# Altium PCB Stabilizer_Pounder.PcbDoc (part 1 of 2) (continued)
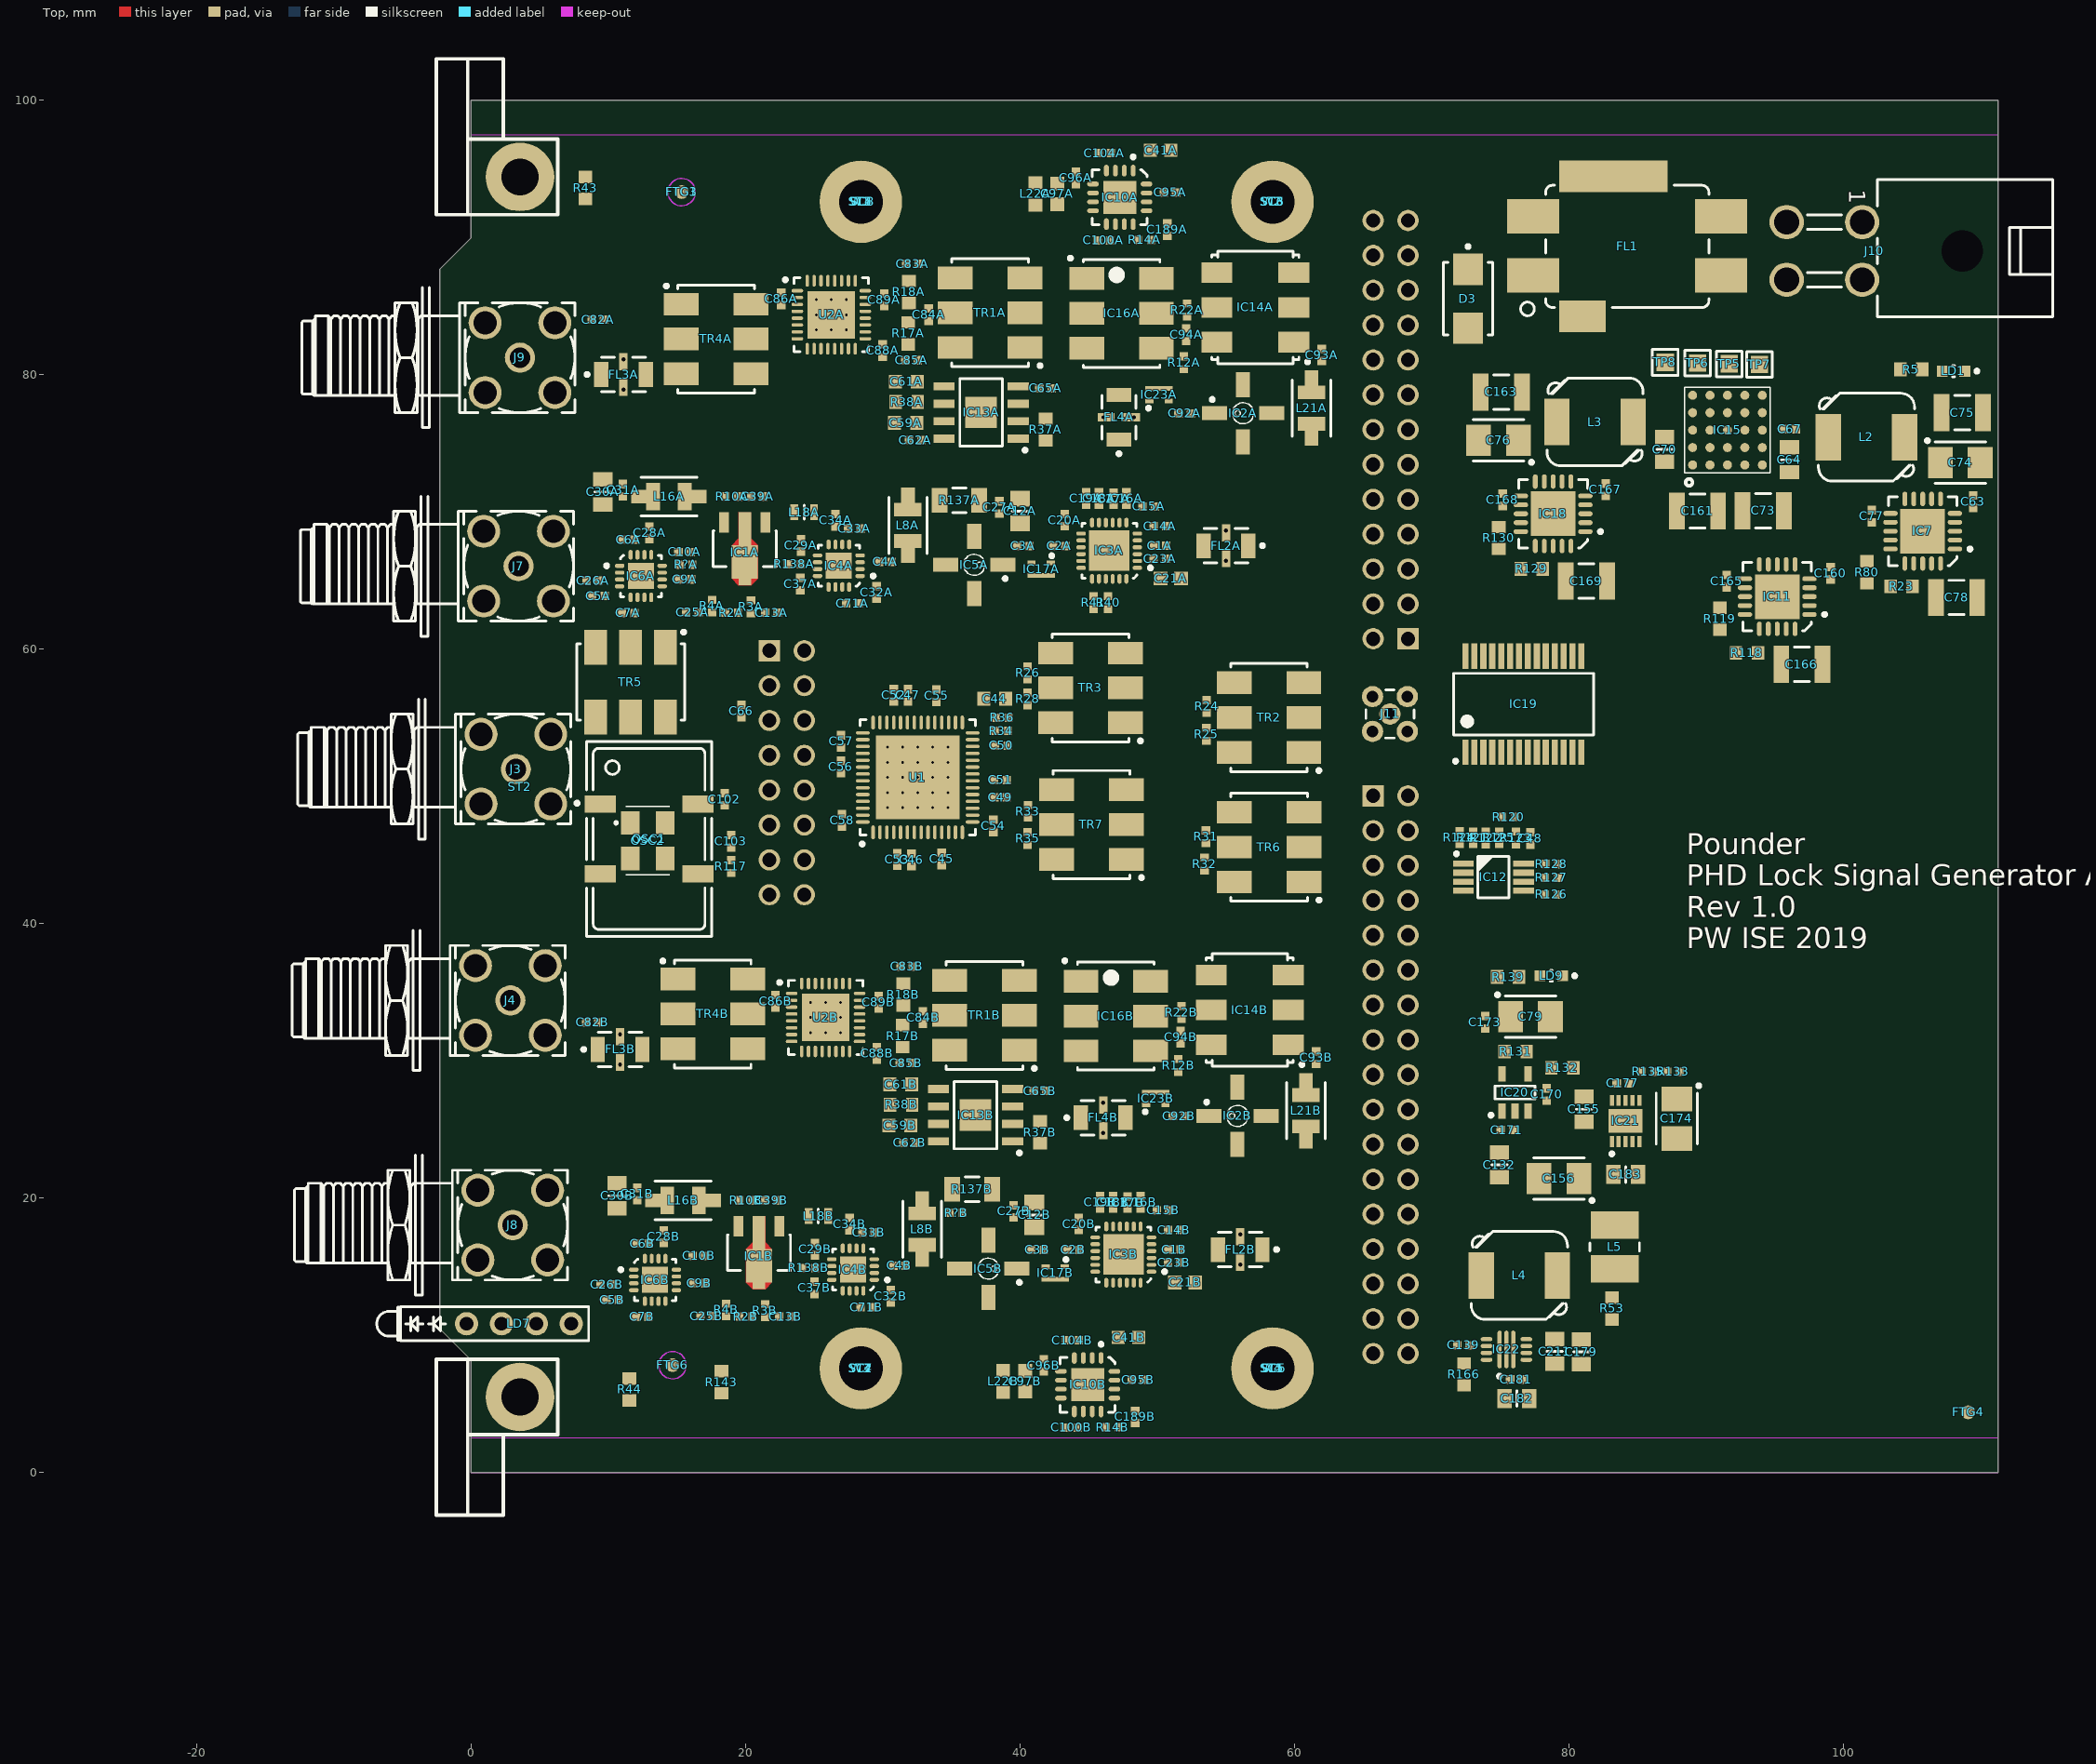
[diagram p0: Top view]
## Components (designator, comment, footprint, x,y, rotation, side; value= is the part's Value field where it differs from the comment) (continued)
C29B "100pF" CAPC1005X55N 25.058,16.29 r270 top (schematic designator C29)
C30A "10uF" CAPC2012X135N 9.59,71.46 r270 top (schematic designator C30)
C30B "10uF" CAPC2012X135N 10.623,20.175 r270 top (schematic designator C30)
C31A "1nF" CAPC1005X55N 11.06,71.59 r270 top (schematic designator C31)
C31B "1nF" CAPC1005X55N 12.093,20.305 r270 top (schematic designator C31)
C32A "100pF" CAPC1005X55N 29.54,64.15 r270 top (schematic designator C32)
C32B "100pF" CAPC1005X55N 30.573,12.865 r270 top (schematic designator C32)
C33A "100pF" CAPC1005X55N 27.924,68.78 r180 top (schematic designator C33)
C33B "100pF" CAPC1005X55N 28.957,17.495 r180 top (schematic designator C33)
C34A "2.2uF" CAPC1005X55N 26.544,69.406 r90 top (schematic designator C34)
C34B "2.2uF" CAPC1005X55N 27.577,18.121 r90 top (schematic designator C34)
C35A "10uF" CAPC1608X80N 31.345,63.853 r90 bottom (schematic designator C35)
C35B "10uF" CAPC1608X80N 32.378,12.568 r90 bottom (schematic designator C35)
C36A "10uF" CAPC1608X80N 32.905,63.883 r90 bottom (schematic designator C36)
C36B "10uF" CAPC1608X80N 33.938,12.598 r90 bottom (schematic designator C36)
C37A "100pF" CAPC1005X55N 23.98,64.75 r270 top (schematic designator C37)
C37B "100pF" CAPC1005X55N 25.013,13.465 r270 top (schematic designator C37)
C38A "10uF" CAPC1608X80N 24.985,66.19 r270 bottom (schematic designator C38)
C38B "10uF" CAPC1608X80N 26.018,14.905 r270 bottom (schematic designator C38)
C39A "1uF" CAPC1005X55N 20.85,71.12 r180 top (schematic designator C39)
C39B "1uF" CAPC1005X55N 21.883,19.835 r180 top (schematic designator C39)
C40A "10uF" CAPC1608X80N 26.46,71.96 r270 bottom (schematic designator C40)
C40B "10uF" CAPC1608X80N 27.493,20.675 r270 bottom (schematic designator C40)
C41A "Undefined" CAPC1608X90N 50.24,96.35 r180 top (schematic designator C41)
C41B "Undefined" CAPC1608X90N 47.9,9.84 r180 top (schematic designator C41)
C42 "100nF" CAPC1005X55N 38.62,51.64 r180 bottom
C43 "100nF" CAPC1005X55N 38.61,50.69 r180 bottom
C44 "680pF" CAPC1608X87N 38.16,56.39 r180 top
C45 "100nF" CAPC1005X55N 34.29,44.72 r90 top
C46 "100nF" CAPC1005X55N 32.08,44.65 r90 top
C47 "100nF" CAPC1005X55N 31.82,56.64 r270 top
C48 "100nF" CAPC1005X55N 77.18,46.22 r270 top
C49 "100nF" CAPC1005X55N 38.57,49.2 r180 top
C50 "100nF" CAPC1005X55N 38.63,52.97 r180 top
C51 "100nF" CAPC1005X55N 38.56,50.47 r180 top
C52 "100nF" CAPC1005X55N 30.8,56.64 r270 top
C53 "100nF" CAPC1005X55N 31.04,44.67 r90 top
C54 "100nF" CAPC1005X55N 38.05,47.13 r270 top
C55 "100nF" CAPC1005X55N 33.9,56.61 r270 top
C56 "100nF" CAPC1005X55N 26.94,51.42 r270 top
C57 "100nF" CAPC1005X55N 26.95,53.28 r270 top
C58 "100nF" CAPC1005X55N 27.02,47.53 r90 top
C59A "150pF" CAPC1608X87N 31.66,76.49 r180 top (schematic designator C59)
C59B "150pF" CAPC1608X87N 31.25,25.29 r180 top (schematic designator C59)
C60A "180pF" CAPC1608X87N 55.8,80.97 r0 bottom (schematic designator C60)
C60B "180pF" CAPC1608X87N 55.39,29.77 r0 bottom (schematic designator C60)
C61A "15pF" CAPC1608X87N 31.71,79.49 r0 top (schematic designator C61)
C61B "15pF" CAPC1608X87N 31.3,28.29 r0 top (schematic designator C61)
C62A "100nF" CAPC1005X55N 32.36,75.23 r0 top (schematic designator C62)
C62B "100nF" CAPC1005X55N 31.95,24.03 r0 top (schematic designator C62)
C63 "1uF" CAPC1005X55N 109.44,70.76 r90 top
C64 "22uF" CAPC2012X135N 96.06,73.8 r90 top
C65A "100nF" CAPC1005X55N 41.86,79.01 r180 top (schematic designator C65)
C65B "100nF" CAPC1005X55N 41.45,27.81 r180 top (schematic designator C65)
C66 "100nF" CAPC1005X55N 19.69,55.49 r90 top
C67 "100nF" CAPC1005X55N 96.09,76.04 r180 top
C70 "22uF" CAPC2012X135N 86.97,74.55 r90 top
C71A "100pF" CAPC1005X55N 27.78,63.34 r180 top (schematic designator C71)
C71B "100pF" CAPC1005X55N 28.813,12.055 r180 top (schematic designator C71)
C72A "10uF" CAPC1608X80N 27.33,63.34 r0 bottom (schematic designator C72)
C72B "10uF" CAPC1608X80N 28.363,12.055 r0 bottom (schematic designator C72)
C73 "47uF" CAPC3225X270N 94.15,70.09 r0 top
C74 "22uF" CAPMP3528X210N 108.51,73.6 r0 top
C75 "47uF" CAPC3225X270N 108.66,77.23 r180 top
C76 "22uF" CAPMP3528X210N 74.86,75.22 r180 top
C77 "1uF" CAPC1005X55N 102.06,69.69 r90 top
C78 "47uF" CAPC3225X270N 108.24,63.77 r180 top
C79 "22uF" CAPMP3528X210N 77.19,33.22 r0 top
C80A "10uF" CAPC1608X80N 28.02,71.96 r270 bottom (schematic designator C80)
C80B "10uF" CAPC1608X80N 29.053,20.675 r270 bottom (schematic designator C80)
C81A "10uF" CAPC1608X80N 37.72,83.27 r90 bottom (schematic designator C81)
C81B "10uF" CAPC1608X80N 37.31,32.07 r90 bottom (schematic designator C81)
C82A "2.2uF" CAPC1005X55N 9.23,84.01 r0 top (schematic designator C82)
C82B "2.2uF" CAPC1005X55N 8.82,32.81 r0 top (schematic designator C82)
C83A "100nF" CAPC1005X55N 32.15,88.08 r180 top (schematic designator C83)
C83B "100nF" CAPC1005X55N 31.74,36.88 r180 top (schematic designator C83)
C84A "100nF" CAPC1005X55N 33.335,84.37 r90 top (schematic designator C84)
C84B "100nF" CAPC1005X55N 32.925,33.17 r90 top (schematic designator C84)
C85A "100nF" CAPC1005X55N 32.09,81.05 r180 top (schematic designator C85)
C85B "100nF" CAPC1005X55N 31.68,29.85 r180 top (schematic designator C85)
C86A "100nF" CAPC1005X55N 22.59,85.54 r270 top (schematic designator C86)
C86B "100nF" CAPC1005X55N 22.18,34.34 r270 top (schematic designator C86)
C87A "10uF" CAPC1608X80N 30.23,85.47 r90 bottom (schematic designator C87)
C87B "10uF" CAPC1608X80N 29.82,34.27 r90 bottom (schematic designator C87)
C88A "100pF" CAPC1005X55N 29.98,81.76 r90 top (schematic designator C88)
C88B "100pF" CAPC1005X55N 29.57,30.56 r90 top (schematic designator C88)
C89A "100nF" CAPC1005X55N 30.1,85.47 r90 top (schematic designator C89)
C89B "100nF" CAPC1005X55N 29.69,34.27 r90 top (schematic designator C89)
C90A "1uF" CAPC2012X140N 56.08,78.11 r90 bottom (schematic designator C90)
C90B "1uF" CAPC2012X140N 55.67,26.91 r90 bottom (schematic designator C90)
C91A "100nF" CAPC1005X55N 57.59,78.16 r90 bottom (schematic designator C91)
C91B "100nF" CAPC1005X55N 57.18,26.96 r90 bottom (schematic designator C91)
C92A "2.2uF" CAPC1005X55N 51.99,77.18 r0 top (schematic designator C92)
C92B "2.2uF" CAPC1005X55N 51.58,25.98 r0 top (schematic designator C92)
C93A "2.2uF" CAPC1005X55N 61.98,81.44 r90 top (schematic designator C93)
C93B "2.2uF" CAPC1005X55N 61.57,30.24 r90 top (schematic designator C93)
C94A "2.2uF" CAPC1005X55N 52.11,82.92 r90 top (schematic designator C94)
C94B "2.2uF" CAPC1005X55N 51.7,31.72 r90 top (schematic designator C94)
C95A "100nF" CAPC1005X55N 50.92,93.28 r0 top (schematic designator C95)
C95B "100nF" CAPC1005X55N 48.58,6.77 r0 top (schematic designator C95)
C96A "100nF" CAPC1005X55N 44.06,94.33 r270 top (schematic designator C96)
C96B "100nF" CAPC1005X55N 41.72,7.82 r270 top (schematic designator C96)
C97A "10uF" CAPC1608X80N 42.71,93.17 r90 top (schematic designator C97)
C97B "10uF" CAPC1608X80N 40.37,6.66 r90 top (schematic designator C97)
C98A "100nF" CAPC1005X55N 46.13,89.81 r0 bottom (schematic designator C98)
C98B "100nF" CAPC1005X55N 43.79,3.3 r0 bottom (schematic designator C98)
C99A "100nF" CAPC1005X55N 46.21,96.2 r0 bottom (schematic designator C99)
C99B "100nF" CAPC1005X55N 43.87,9.69 r0 bottom (schematic designator C99)
C100A "100pF" CAPC1005X55N 46.09,89.79 r0 top (schematic designator C100)
C100B "100pF" CAPC1005X55N 43.75,3.28 r0 top (schematic designator C100)
C101 "1uF" CAPC1005X55N 14.52,49.73 r270 bottom
C102 "100nF" CAPC1005X55N 18.47,49.07 r270 top
C103 "100nF" CAPC1005X55N 18.95,46 r270 top
C104A "100pF" CAPC1005X55N 46.16,96.15 r0 top (schematic designator C104)
C104B "100pF" CAPC1005X55N 43.82,9.64 r0 top (schematic designator C104)
C105 "100nF" CAPC1005X55N 13.04,56.61 r0 bottom
C122 "100nF" CAPC1005X55N 18.47,59.44 r90 bottom
C123 "1uF" CAPC1005X55N 14.97,60.1 r0 bottom
C131 "100nF" CAPC1005X55N 14.97,59.06 r0 bottom
C132 "22uF" CAPC2012X135N 74.93,22.42 r90 top
C139 "100nF" CAPC1005X55N 72.31,9.29 r180 top
C145 "1uF" CAPC1005X55N 8.46,50.74 r270 bottom
C155 "22uF" CAPC2012X135N 81.1,26.48 r90 top
C156 "22uF" CAPMP3528X210N 79.27,21.43 r180 top
C160 "1uF" CAPC1005X55N 99.06,65.54 r90 top
C161 "47uF" CAPC3225X270N 89.36,70.07 r180 top
C163 "47uF" CAPC3225X270N 75.06,78.74 r0 top
C165 "1uF" CAPC1005X55N 91.49,64.96 r90 top
C166 "47uF" CAPC3225X270N 96.97,58.9 r180 top
C167 "1uF" CAPC1005X55N 82.67,71.62 r90 top
C168 "1uF" CAPC1005X55N 75.17,70.89 r90 top
C169 "47uF" CAPC3225X270N 81.26,64.96 r180 top
C170 "10nF" CAPC1005X55N 78.37,27.56 r90 top
C171 "1uF" CAPC1005X55N 75.47,24.96 r180 top
C173 "100nF" CAPC1005X55N 73.89,32.82 r90 top
C174 "22uF" CAPMP3528X210N 87.85,25.79 r270 top
C177 "100nF" CAPC1005X55N 83.92,28.37 r180 top
C178 "100nF" CAPC1005X55N 80.8,8.84 r90 bottom
C179 "22uF" CAPC2012X135N 80.9,8.79 r90 top
C181 "100nF" CAPC1005X55N 76.16,6.79 r180 top
C182 "22uF" CAPC2012X135N 76.2,5.4 r180 top
C183 "22uF" CAPC2012X135N 84.13,21.73 r180 top
C189A "100nF" CAPC1005X55N 50.73,90.57 r270 top (schematic designator C189)
C189B "100nF" CAPC1005X55N 48.39,4.06 r270 top (schematic designator C189)
C194 "100nF" CAPC1005X55N 13.04,57.64 r0 bottom
C211 "22uF" CAPC2012X135N 78.96,8.83 r90 top
D3 "SMBJ12A" DIOM5336X265N 72.64,85.54 r270 top
FL1 "10A/50VDC" FIL_MURATA_BNX02 84.24,89.35 r180 top
FL2A "DC to 160MHz" FIL_MINI-CIRCUITS_FV1206 55.005,67.543 r180 top (schematic designator FL2)
FL2B "DC to 160MHz" FIL_MINI-CIRCUITS_FV1206 56.038,16.258 r180 top (schematic designator FL2)
FL3A "DC to 160MHz" FIL_MINI-CIRCUITS_FV1206 11.1,80.018 r0 top (schematic designator FL3)
FL3B "DC to 160MHz" FIL_MINI-CIRCUITS_FV1206 10.85,30.838 r0 top (schematic designator FL3)
FL4A "DC to 160MHz" FIL_MINI-CIRCUITS_FV1206 47.2,76.9 r90 top (schematic designator FL4)
FL4B "DC to 160MHz" FIL_MINI-CIRCUITS_FV1206 46.05,25.86 r0 top (schematic designator FL4)
FTG1 "Use only in PCB" FIDUCIAL_TOP_C100-200#1 15.34,93.31 r90 top
FTG2 "Use only in PCB" FIDUCIAL_TOP_C100-200#1 15.34,93.31 r90 bottom
FTG3 "Use only in PCB" FIDUCIAL_TOP_C100-200#1 15.34,93.31 r90 top
FTG4 "Use only in PCB" FIDUCIAL_TOP_C100-200#2 109.08,4.4 r90 bottom
FTG5 "Use only in PCB" FIDUCIAL_TOP_C100-200#1 108.98,4.59 r90 bottom
FTG6 "Use only in PCB" FIDUCIAL_TOP_C100-200#1 14.67,7.83 r90 top
IC1A "PHA-13LN+" MINI-CIRCUITS_DF782 19.94,67.32 r180 top (schematic designator IC1)
IC1B "PHA-13LN+" MINI-CIRCUITS_DF782 20.973,16.035 r180 top (schematic designator IC1)
IC2A "ERA-2SM+" MINI-CIRCUITS_WW107 56.25,77.195 r0 top (schematic designator IC2)
IC2B "ERA-2SM+" MINI-CIRCUITS_WW107 55.84,25.995 r0 top (schematic designator IC2)
IC3A "HMC542BLP4E" QFN50P400X400X100-25N-S295 46.495,67.178 r180 top (schematic designator IC3)
IC3B "HMC542BLP4E" QFN50P400X400X100-25N-S295 47.528,15.893 r180 top (schematic designator IC3)
IC4A "HMC1118LP3DE" QFN50P300X300X95-17N-S190 26.794,66.085 r180 top (schematic designator IC4)
IC4B "HMC1118LP3DE" QFN50P300X300X95-17N-S190 27.827,14.8 r180 top (schematic designator IC4)
IC5A "ERA-3SM+" MINI-CIRCUITS_WW107 36.66,66.148 r180 top (schematic designator IC5)
IC5B "ERA-3SM+" MINI-CIRCUITS_WW107 37.693,14.863 r180 top (schematic designator IC5)
IC6A "HMC1118LP3DE" QFN50P300X300X95-17N-S190 12.37,65.33 r0 top (schematic designator IC6)
IC6B "HMC1118LP3DE" QFN50P300X300X95-17N-S190 13.403,14.045 r0 top (schematic designator IC6)
IC7 "TPS74901RGWT" QFN65P500X500X100-21N-S325 105.77,68.6 r180 top
IC8A "TL431ACDBZT" SOT95P237X112-3N 35.77,63.61 r180 bottom (schematic designator IC8)
IC8B "TL431ACDBZT" SOT95P237X112-3N 36.803,12.325 r180 bottom (schematic designator IC8)
IC9A "TL431ACDBZT" SOT95P237X112-3N 30.95,71.31 r180 bottom (schematic designator IC9)
IC9B "TL431ACDBZT" SOT95P237X112-3N 31.983,20.025 r180 bottom (schematic designator IC9)
IC10A "AD8363ACPZ-R7" QFN65P400X400X80-17N-S240 47.265,92.92 r270 top (schematic designator IC10)
IC10B "AD8363ACPZ-R7" QFN65P400X400X80-17N-S240 44.925,6.41 r270 top (schematic designator IC10)
IC11 "TPS74901RGWT" QFN65P500X500X100-21N-S325 95.17,63.83 r180 top
IC12 "LM75AIMM/NOPB" SOP65P490X109-8N 74.493,43.392 r0 top
IC13A "ADA4625-2ARDZ" SOIC127P600X175-9N-S229 37.16,77.25 r180 top (schematic designator IC13)
IC13B "ADA4625-2ARDZ" SOIC127P600X175-9N-S229 36.75,26.05 r180 top (schematic designator IC13)
IC14A "ADE-1+" MACOM_SM-87 57.145,84.91 r180 top (schematic designator IC14)
IC14B "ADE-1+" MACOM_SM-87 56.735,33.71 r180 top (schematic designator IC14)
IC15 "LTM4622AEV#PBF" LGA25C127P5X5_625X625X190 91.541,75.965 r90 top
IC16A "ADCB-20-82+" MINI-CIRCUITS_CD637 47.39,84.47 r0 top (schematic designator IC16)
IC16B "ADCB-20-82+" MINI-CIRCUITS_CD637 46.98,33.27 r0 top (schematic designator IC16)
IC17A "PAT1220-C-1DB-T5" SUSUMU_PAT1220 41.527,65.835 r0 top (schematic designator IC17)
IC17B "PAT1220-C-1DB-T5" SUSUMU_PAT1220 42.56,14.55 r0 top (schematic designator IC17)
IC18 "TPS74901RGWT" QFN65P500X500X100-21N-S325 78.84,69.87 r180 top
IC19 "MCP23017-E/SS" SOP65P780X200-28N 76.68,55.99 r90 top
IC20 "LT1761ES5-BYP#TRMPBF" SOT95P280X100-5N 76.06,27.7 r90 top
IC21 "LT3045EDD#PBF" SON50P300X300X80-11N-R175X248 84.12,25.63 r90 top
IC22 "TPS62148RGX" TEXAS_RGX0011A 75.44,8.975 r90 top
IC23A "PAT1220-C-1DB-T5" SUSUMU_PAT1220 50.13,78.54 r180 top (schematic designator IC23)
IC23B "PAT1220-C-1DB-T5" SUSUMU_PAT1220 49.89,27.27 r180 top (schematic designator IC23)
IC24 "Si53340-B-GM" QFN50P300X300X90-17N-S175 16.97,56.39 r0 bottom
J1 "ESW-108-23-L-D" ESW-113-23-L-D 67,76 r90 bottom locked
J2 "ESW-108-23-L-D" ESW-108-23-L-D 23,51 r270 bottom locked
J3 "SMA" RF249BT0050GHDW 3.26,51.26 r180 top
J4 "SMA" RF249BT0050GHDW 2.86,34.41 r180 top
J5 "ESW-108-23-L-D" ESW-117-23-L-D 67,29 r270 bottom locked
J7 "SMA" RF249BT0050GHDW 3.45,66.05 r180 top
J8 "SMA" RF249BT0050GHDW 3.03,18.04 r180 top
J9 "SMA" RF249BT0050GHDW 3.556,81.245 r180 top
J10 "Mini-Fit Jr.™" MOLEX_39-30-0040 98.61,89.02 r270 top
J11 "Coax_1Female_1Shield" NINIGI_MMCX-10 66.95,55.28 r0 top
L1 "120R@100MHz" INDC1608X95N 29.67,44 r270 bottom
L2 "1.5uH" IND_TDK_SPM6530 101.675,75.45 r0 top
L3 "1.5uH" IND_TDK_SPM6530 81.895,76.56 r180 top
L4 "1.5uH" IND_TDK_SPM6530 76.38,14.37 r0 top
L5 "10uH" IND_MURATA-PS_8400 83.33,16.45 r90 top
L6 "120R@100MHz" INDC1608X95N 26.72,52 r90 bottom
L7 "120R@100MHz" INDC1608X95N 27.91,44 r270 bottom
L8A "10uH" IND_MURATA_LQH32C 31.83,69.03 r90 top (schematic designator L8)
L8B "10uH" IND_MURATA_LQH32C 32.863,17.745 r90 top (schematic designator L8)
L9 "120R@100MHz" INDC1608X95N 12.8,46.39 r270 bottom
L10 "120R@100MHz" INDC1608X95N 10.91,59.14 r180 bottom
L11A "390R@100MHz" INDC1608X95N 50.93,66.362 r180 bottom (schematic designator L11)
L11B "390R@100MHz" INDC1608X95N 51.963,15.076 r180 bottom (schematic designator L11)
L12A "390R@100MHz" INDC1608X95N 9.06,66.26 r270 bottom (schematic designator L12)
L12B "390R@100MHz" INDC1608X95N 10.093,14.975 r270 bottom (schematic designator L12)
L13A "390R@100MHz" INDC1608X95N 15.42,67.17 r90 bottom (schematic designator L13)
L13B "390R@100MHz" INDC1608X95N 16.453,15.885 r90 bottom (schematic designator L13)
L14A "390R@100MHz" INDC1608X95N 10.44,69.08 r180 bottom (schematic designator L14)
L14B "390R@100MHz" INDC1608X95N 11.473,17.795 r180 bottom (schematic designator L14)
L15A "390R@100MHz" INDC1608X95N 29.67,64.16 r270 bottom (schematic designator L15)
L15B "390R@100MHz" INDC1608X95N 30.703,12.875 r270 bottom (schematic designator L15)
L16A "10uH" IND_MURATA_LQH32C 14.41,71.12 r180 top (schematic designator L16)
L16B "10uH" IND_MURATA_LQH32C 15.443,19.835 r180 top (schematic designator L16)
L17A "390R@100MHz" INDC1608X95N 23.41,66.19 r90 bottom (schematic designator L17)
L17B "390R@100MHz" INDC1608X95N 24.443,14.905 r90 bottom (schematic designator L17)
L18A "4.7nH" IND_MURATA_LQW18AN_G8 24.27,69.985 r180 top (schematic designator L18)
L18B "4.7nH" IND_MURATA_LQW18AN_G8 25.303,18.7 r180 top (schematic designator L18)
L19A "390R@100MHz" INDC1608X95N 37.72,86.5 r90 bottom (schematic designator L19)
L19B "390R@100MHz" INDC1608X95N 37.31,35.3 r90 bottom (schematic designator L19)
L20A "390R@100MHz" INDC1608X95N 29.33,88.24 r0 bottom (schematic designator L20)
L20B "390R@100MHz" INDC1608X95N 28.92,37.04 r0 bottom (schematic designator L20)
L21A "10uH" IND_MURATA_LQH32C 61.24,77.57 r270 top (schematic designator L21)
L21B "10uH" IND_MURATA_LQH32C 60.83,26.37 r270 top (schematic designator L21)
L22A "390R@100MHz" INDC1608X95N 41.11,93.17 r90 top (schematic designator L22)
L22B "390R@100MHz" INDC1608X95N 38.77,6.66 r90 top (schematic designator L22)
L23A "390R@100MHz" INDC1608X95N 34.37,75.51 r180 bottom (schematic designator L23)
L23B "390R@100MHz" INDC1608X95N 33.96,24.31 r180 bottom (schematic designator L23)
L24A "390R@100MHz" INDC1608X95N 38.65,79.25 r180 bottom (schematic designator L24)
L24B "390R@100MHz" INDC1608X95N 38.24,28.05 r180 bottom (schematic designator L24)
LD1 "Green" LED_KINGBRIGHT_KPH-1608CGCKr 108.018,80.26 r180 top
LD7 "Red/Green" LED_DIALIGHT_571-0112F -0.33,10.85 r0 top
LD9 "Green" LED_KINGBRIGHT_KPH-1608CGCKr 78.708,36.202 r180 top
OSC1 "100MHz" OSC_CRYSTEK_CCHD-950 12.965,46.18 r0 top
OSC2 "510CCA100M000BAG" 510CBA49M1520BAG 12.46,46.05 r270 top
R1A "7k5" RESC1005X40N 21.52,71.16 r90 bottom (schematic designator R1)
R1B "7k5" RESC1005X40N 22.553,19.875 r90 bottom (schematic designator R1)
R2A "0" RESC1005X40N 18.98,62.66 r180 top (schematic designator R2)
R2B "0" RESC1005X40N 20.013,11.375 r180 top (schematic designator R2)
R3A "Undefined" RESC1005X40N 20.39,63.08 r270 top (schematic designator R3)
R3B "Undefined" RESC1005X40N 21.423,11.795 r270 top (schematic designator R3)
R4A "Undefined" RESC1005X40N 17.55,63.14 r270 top (schematic designator R4)
R4B "Undefined" RESC1005X40N 18.583,11.855 r270 top (schematic designator R4)
R5 "1k2" RESC1608X55N 104.94,80.39 r180 top
R6A "7k5" RESC1005X40N 38.34,63.7 r90 bottom (schematic designator R6)
R6B "7k5" RESC1005X40N 39.373,12.415 r90 bottom (schematic designator R6)
R7A "6k2" RESC1005X40N 48.52,63.28 r90 bottom (schematic designator R7)
R7B "6k2" RESC1005X40N 49.553,11.995 r90 bottom (schematic designator R7)
R8A "220" RESC1005X40N 49.62,90.65 r90 bottom (schematic designator R8)
R8B "220" RESC1005X40N 47.28,4.14 r90 bottom (schematic designator R8)
R9A "24k" RESC1005X40N 33.53,72.37 r90 bottom (schematic designator R9)
R9B "24k" RESC1005X40N 34.563,21.085 r90 bottom (schematic designator R9)
R10A "1k5" RESC1005X40N 18.987,71.12 r180 top (schematic designator R10)
R10B "1k5" RESC1005X40N 20.02,19.835 r180 top (schematic designator R10)
R11A "4k7" RESC1005X40N 49.599,63.31 r90 bottom (schematic designator R11)
R11B "4k7" RESC1005X40N 50.633,12.025 r90 bottom (schematic designator R11)
R12A "49R9" RESC1005X40N 51.94,80.87 r90 top (schematic designator R12)
R12B "49R9" RESC1005X40N 51.53,29.67 r90 top (schematic designator R12)
R13A "820" RESC1005X40N 48.19,91.02 r180 bottom (schematic designator R13)
R13B "820" RESC1005X40N 45.85,4.51 r180 bottom (schematic designator R13)
R14A "1k43" RESC1005X40N 49.07,89.82 r180 top (schematic designator R14)
R14B "1k43" RESC1005X40N 46.73,3.31 r180 top (schematic designator R14)
R15 "49R9" RESC1005X40N 14.52,57.14 r270 bottom
R16A "100" RESC1005X40N 31.61,65.96 r0 bottom (schematic designator R16)
R16B "100" RESC1005X40N 32.643,14.675 r0 bottom (schematic designator R16)
R17A "68" RESC1608X55N 31.85,83.01 r270 top (schematic designator R17)
R17B "68" RESC1608X55N 31.44,31.81 r270 top (schematic designator R17)
R18A "68" RESC1608X55N 31.895,86.03 r270 top (schematic designator R18)
R18B "68" RESC1608X55N 31.485,34.83 r270 top (schematic designator R18)
R19A "91" RESC3216X65N 60.55,78.04 r0 bottom (schematic designator R19)
R19B "91" RESC3216X65N 60.14,26.84 r0 bottom (schematic designator R19)
R20A "4k7" RESC1005X40N 16.52,71.21 r270 bottom (schematic designator R20)
R20B "4k7" RESC1005X40N 17.553,19.925 r270 bottom (schematic designator R20)
R21A "9k1" RESC1005X40N 56.35,82.87 r270 bottom (schematic designator R21)
R21B "9k1" RESC1005X40N 55.94,31.67 r270 bottom (schematic designator R21)
R22A "49R9" RESC1005X40N 52.16,84.72 r90 top (schematic designator R22)
R22B "49R9" RESC1005X40N 51.75,33.52 r90 top (schematic designator R22)
R23 "4k7" RESC1608X55N 104.23,64.58 r0 top
R24 "49R9" RESC1005X40N 53.6,55.82 r270 top
R25 "49R9" RESC1005X40N 53.57,53.79 r90 top
R26 "49R9" RESC1005X40N 40.55,58.28 r270 top
R27 "100" RESC1005X40N 40.03,51.15 r270 bottom
R28 "49R9" RESC1005X40N 40.55,56.39 r90 top
R29 "1k8" RESC1608X55N 38.4,46.09 r270 bottom
R30 "110" RESC1005X40N 37.83,44.01 r180 bottom
R31 "49R9" RESC1005X40N 53.54,46.33 r270 top
R32 "49R9" RESC1005X40N 53.439,44.35 r90 top
R33 "49R9" RESC1005X40N 40.57,48.19 r270 top
R34 "18" RESC1005X40N 38.64,54.05 r180 top
R35 "49R9" RESC1005X40N 40.55,46.2 r90 top
R36 "680" RESC1005X40N 38.71,55.01 r180 top
R37A "11k" RESC1608X55N 41.86,76 r270 top (schematic designator R37)
R37B "11k" RESC1608X55N 41.45,24.8 r270 top (schematic designator R37)
R38A "91k" RESC1608X55N 31.74,78.01 r0 top (schematic designator R38)
R38B "91k" RESC1608X55N 31.33,26.81 r0 top (schematic designator R38)
R39A "4k7" RESC1005X40N 55.18,83.16 r90 bottom (schematic designator R39)
R39B "4k7" RESC1005X40N 54.77,31.96 r90 bottom (schematic designator R39)
R40 "4k7" RESC1005X40N 46.41,63.4 r90 top
R41 "1k5" RESC1005X40N 45.35,63.4 r90 top
R42 "4k7" RESC1005X40N 79.62,54.88 r270 bottom
R43 "0" RESC1608X55N 8.32,93.61 r90 top
R44 "0" RESC1608X55N 11.53,6.06 r90 top
R45 "4k7" RESC1005X40N 80.58,54.88 r270 bottom
R46 "0" RESC1005X40N 79.3,56.74 r90 bottom
R47 "0" RESC1005X40N 80.28,56.74 r90 bottom
R48 "0" RESC1005X40N 81.24,56.74 r90 bottom
R53 "5k6" RESC1608X55N 83.13,11.96 r90 top
R55 "24k" RESC1608X55N 96.6,77.58 r0 bottom
R80 "1k5" RESC1608X55N 101.7,65.6 r270 top
R82 "24k" RESC1608X55N 96.59,79.2 r0 bottom
R84 "24k" RESC1608X55N 87.13,77.98 r90 bottom
R87 "160" RESC1608X55N 85.49,78.03 r270 bottom
R117 "100" RESC1005X40N 18.95,44.16 r270 top
R118 "4k7" RESC1608X55N 92.97,59.74 r0 top
R119 "1k5" RESC1608X55N 91,62.22 r270 top
R120 "10k" RESC1005X40N 75.61,47.78 r0 top
R121 "10k" RESC1005X40N 73.01,46.26 r90 top
R122 "10k" RESC1005X40N 73.94,46.24 r90 top
R123 "0" RESC1005X40N 76.14,46.24 r90 top
R124 "0" RESC1005X40N 72.02,46.27 r270 top
R125 "0" RESC1005X40N 74.91,46.26 r270 top
R126 "0" RESC1005X40N 78.72,42.125 r180 top
R127 "0" RESC1005X40N 78.72,43.355 r180 top
R128 "0" RESC1005X40N 78.74,44.34 r180 top
R129 "1k5" RESC1608X55N 77.28,65.85 r0 top
R130 "1k2" RESC1608X55N 74.88,68.1 r270 top
R131 "6k8" RESC1608X55N 76.11,30.69 r180 top
R132 "2k2" RESC1608X55N 79.51,29.49 r180 top
R133 "68k" RESC1005X40N 87.62,29.21 r0 top
R134 "47k" RESC1608X55N 78.61,11.45 r90 bottom
R135 "2k" RESC1005X40N 85.77,29.22 r0 top
R136 "5k6" RESC1608X55N 78.64,8.27 r90 bottom
R137A "100" RESC3216X65N 35.575,70.858 r180 top (schematic designator R137)
R137B "100" RESC3216X65N 36.503,20.655 r180 top (schematic designator R137)
R138A "0" RESC1005X40N 23.555,66.19 r0 top (schematic designator R138)
R138B "0" RESC1005X40N 24.588,14.905 r0 top (schematic designator R138)
R139 "2k2" RESC1608X55N 75.56,36.12 r180 top
R143 "1k2" RESC1608X55N 18.24,6.59 r90 top
R162 "49R9" RESC1005X40N 17.03,59.06 r0 bottom
R164 "Undefined" RESC1608X55N 10.99,60.61 r0 bottom
R165 "470" RESC1005X40N 13.75,55.48 r0 bottom
R166 "47k" RESC1608X55N 72.36,7.16 r270 top
R167 "470" RESC1005X40N 12.81,49.07 r0 bottom
R168 "470" RESC1005X40N 9.47,50.71 r270 bottom
R?A "0" RESC1005X40N 15.66,66.16 r180 top (schematic designator R?)
R?B "0" RESC1005X40N 35.343,18.934 r180 top (schematic designator R?)
SC1 "SCREW_M3_CAP_8mm" SCREW_M3_CAP_8mm 58.4,7.6 r0 top
SC2 "SCREW_M3_CAP_8mm" SCREW_M3_CAP_8mm 28.4,7.6 r0 top
SC3 "SCREW_M3_CAP_8mm" SCREW_M3_CAP_8mm 58.4,92.6 r0 top
SC4 "SCREW_M3_CAP_8mm" SCREW_M3_CAP_8mm 28.4,92.6 r0 top
SC5 "SCREW_M3_CAP_8mm" SCREW_M3_CAP_8mm 58.516,7.6 r180 top
SC6 "SCREW_M3_CAP_8mm" SCREW_M3_CAP_8mm 58.4,92.6 r0 top
SC7 "SCREW_M3_CAP_8mm" SCREW_M3_CAP_8mm 28.4,7.6 r0 top
SC8 "SCREW_M3_CAP_8mm" SCREW_M3_CAP_8mm 28.516,92.6 r0 top
ST1 "M3 8mm" R30-1001802 28.4,92.6 r180 top
ST2 "SCHROFF_PANEL_3U_4HP_EMI" SCHROFF_PANEL_3HP_4U 3.556,5.512 r0 top locked
ST3 "M3 8mm" R30-1001802 58.4,92.6 r180 top
ST4 "M3 8mm" R30-1001802 28.4,7.6 r180 top
ST5 "M3 8mm" R30-1001802 58.4,7.6 r180 top
T1 "BSS84LT1G" SOT95P240X110-3N 12.58,42.29 r90 bottom
T2A "BSS138LT1G" SOT95P240X110-3N 19.04,70.99 r180 bottom (schematic designator T2)
T2B "BSS138LT1G" SOT95P240X110-3N 20.073,19.705 r180 bottom (schematic designator T2)
T3A "BSS138LT1G" SOT95P240X110-3N 52.24,63.78 r180 bottom (schematic designator T3)
T3B "BSS138LT1G" SOT95P240X110-3N 53.273,12.495 r180 bottom (schematic designator T3)
T10A "Si2315BDS-T1-E3" SOT95P237X112-3N 13.95,70.94 r180 bottom (schematic designator T10)
T10B "Si2315BDS-T1-E3" SOT95P237X112-3N 14.983,19.655 r180 bottom (schematic designator T10)
TP5 "Test Point" TPS127 91.68,80.79 r90 top
TP6 "Test Point" TPS127 89.36,80.84 r90 top
TP7 "Test Point" TPS127 93.88,80.74 r90 top
TP8 "Test Point" TPS127 87.01,80.9 r90 top
TR1A "1:2" XFMR_MINI-CIRCUITS_CD542 37.82,84.52 r90 top (schematic designator TR1)
TR1B "1:2" XFMR_MINI-CIRCUITS_CD542 37.41,33.32 r90 top (schematic designator TR1)
TR2 "1:1" XFMR_MINI-CIRCUITS_CD542 58.135,55.02 r90 top
TR3 "1:1" XFMR_MINI-CIRCUITS_CD542 45.14,57.18 r90 top
TR4A "1:1" XFMR_MINI-CIRCUITS_CD542 17.85,82.6 r270 top (schematic designator TR4)
TR4B "1:1" XFMR_MINI-CIRCUITS_CD542 17.6,33.42 r270 top (schematic designator TR4)
TR5 "1:2" XFMR_MINI-CIRCUITS_CD542 11.62,57.61 r180 top
TR6 "1:1" XFMR_MINI-CIRCUITS_CD542 58.15,45.58 r90 top
TR7 "1:1" XFMR_MINI-CIRCUITS_CD542 45.21,47.22 r90 top
U1 "AD9959BCPZ" ADI-CP-56-1_M 32.54,50.66 r90 top
U2A "LT5554IUH#PBF" LT-UH-32_N 26.24,84.37 r0 top (schematic designator U2)
U2B "LT5554IUH#PBF" LT-UH-32_N 25.83,33.17 r0 top (schematic designator U2)
W1 "washer_M3_6mm_0.8mm" washer_M3_6mm_0.8mm 28.4,92.6 r180 top
W2 "washer_M3_6mm_0.8mm" washer_M3_6mm_0.8mm 58.4,92.6 r180 top
W3 "washer_M3_6mm_0.8mm" washer_M3_6mm_0.8mm 28.4,7.6 r180 top
W4 "washer_M3_6mm_0.8mm" washer_M3_6mm_0.8mm 58.4,7.6 r180 top

## Footprints (in the part's own frame and the unit in brackets; to place one, negate y for a bottom-side part, rotate by r counter-clockwise, add the part's x,y. Pads: shape width x height; smd on the part's side, far side on the other; paste and mask are expansions set on the pad)
510CBA49M1520BAG [mm]
  rect 1.7x1.35 smd: 1(-1.3,-0.87) 2(1.3,-0.87) 3(1.3,1.67) 4(-1.3,1.67)
  silkscreen extent -2.5,-2 2.5,2, body extent -2.5,-1.41 2.5,2.21, height 1.1
ADI-CP-56-1_M [mm] "QFN, 56-Leads, Body 8x8mm, Pitch 0.5mm, Thermal Pad 6.1x6.1mm, IPC Low Density"
  oval 1x0.25 smd: 1(-4,3.25) 2(-4,2.75) 3(-4,2.25) 4(-4,1.75) 5(-4,1.25) 6(-4,0.75) 7(-4,0.25) 8(-4,-0.25) 9(-4,-0.75) 10(-4,-1.25) 11(-4,-1.75) 12(-4,-2.25) 13(-4,-2.75) 14(-4,-3.25) 29(4,-3.25) 30(4,-2.75) 31(4,-2.25) 32(4,-1.75) 33(4,-1.25) 34(4,-0.75) 35(4,-0.25) 36(4,0.25) 37(4,0.75) 38(4,1.25) 39(4,1.75) 40(4,2.25) 41(4,2.75) 42(4,3.25)
  oval 0.25x1 smd: 15(-3.25,-4) 16(-2.75,-4) 17(-2.25,-4) 18(-1.75,-4) 19(-1.25,-4) 20(-0.75,-4) 21(-0.25,-4) 22(0.25,-4) 23(0.75,-4) 24(1.25,-4) 25(1.75,-4) 26(2.25,-4) 27(2.75,-4) 28(3.25,-4) 43(3.25,4) 44(2.75,4) 45(2.25,4) 46(1.75,4) 47(1.25,4) 48(0.75,4) 49(0.25,4) 50(-0.25,4) 51(-0.75,4) 52(-1.25,4) 53(-1.75,4) 54(-2.25,4) 55(-2.75,4) 56(-3.25,4)
  rect 6.1x6.1 smd: 57(0,0)
  silkscreen extent -4.97,-4.2 4.2,4.2, body extent -4.05,-4.05 4.05,4.05, height 1
CAPC1005X55N [mm] "Capacitor, Non-Polarized, Chip; 1.00mm L X 0.50mm W X 0.70mm H, IPC Medium Density"
  rect 0.62x0.62 smd: 1(-0.45,0) 2(0.45,0)
  body extent -0.52,-0.27 0.53,0.28, height 0.55
CAPC1608X80N [mm] "Chip Capacitor, Body 1.6x0.8mm IPC Medium Density"
  rect 1x1 smd: 1(-0.75,0) 2(0.75,0)
  body extent -0.87,-0.47 0.88,0.48, height 0.8
CAPC1608X87N [mm] "Chip Capacitor, Body 1.6x0.8mm IPC Medium Density"
  rect 0.95x1 smd: 1(-0.8,0) 2(0.8,0)
  body extent -0.87,-0.47 0.88,0.48, height 0.87
CAPC1608X90N [mm] "Chip Capacitor, Body 1.6x0.8mm IPC Medium Density"
  rect 0.95x0.95 smd: 1(-0.75,0) 2(0.75,0)
  body extent -0.85,-0.45 0.85,0.45, height 0.9
CAPC2012X135N [mm] "Chip Capacitor, Body 2.0x1.25mm, IPC Medium Density"
  rect 1.05x1.4 smd: 1(-0.9,0) 2(0.9,0)
  silkscreen extent 0,-0.58 0,0.58, body extent -1.05,-0.67 1.05,0.68, height 1.25
CAPC2012X140N [mm] "Chip Capacitor, Body 2.0x1.25mm, IPC Medium Density"
  rect 1.15x1.45 smd: 1(-0.9,0) 2(0.9,0)
  silkscreen extent 0,-0.58 0,0.58, body extent -1.05,-0.67 1.05,0.68, height 1.3
CAPC3225X270N [mm] "Chip Capacitor, Body 3.2x2.5mm, IPC Medium Density"
  rect 1.15x2.7 smd: 1(-1.5,0) 2(1.5,0)
  silkscreen extent -0.55,-1.25 0.55,1.25, body extent -1.7,-1.35 1.7,1.35, height 2.7
CAPMP3528X210N [mm] "Capacitor, Polarized, Molded  Body 3.5x2.8mm, IPC Medium Density"
  rect 1.8x2.25 smd: 1(-1.45,0) 2(1.45,0)
  silkscreen extent -2.52,-1.5 1.85,1.72, body extent -1.85,-1.5 1.85,1.5, height 2.1
DIOM5336X265N [mm] "DO-214-AA/SMB Diode, Molded Body; 5.34mm L X 3.625mm W X 2.65mm H, IPC Medium Density"
  rect 2.3x2.15 smd: 1(-2.15,0) 2(2.15,0)
  silkscreen extent -3.92,-1.8 2.65,1.8, body extent -2.7,-1.95 2.7,1.95, height 2.4
ESW-108-23-L-D [mm] "Samtec Elevated Socket, 2x8 Pins, Vertical, 2.54mm Pitch, Female, 13.59mm length"
  rect 1.55x1.55 hole 1.04: 1(-8.89,1.27)
  round 1.55 hole 1.04: 2(-8.89,-1.27) 3(-6.35,1.27) 4(-6.35,-1.27) 5(-3.81,1.27) 6(-3.81,-1.27) 7(-1.27,1.27) 8(-1.27,-1.27) 9(1.27,1.27) 10(1.27,-1.27) 11(3.81,1.27) 12(3.81,-1.27) 13(6.35,1.27) 14(6.35,-1.27) 15(8.89,1.27) 16(8.89,-1.27)
  silkscreen extent -10.54,-2.47 10.54,2.47, body extent -10.41,-2.54 10.41,2.54, height 14.84
ESW-113-23-L-D [mm] "Samtec Elevated Socket, 2x8 Pins, Vertical, 2.54mm Pitch, Female, 13.59mm length"
  rect 1.55x1.55 hole 1.04: 1(-15.24,1.27)
  round 1.55 hole 1.04: 2(-15.24,-1.27) 3(-12.7,1.27) 4(-12.7,-1.27) 5(-10.16,1.27) 6(-10.16,-1.27) 7(-7.62,1.27) 8(-7.62,-1.27) 9(-5.08,1.27) 10(-5.08,-1.27) 11(-2.54,1.27) 12(-2.54,-1.27) 13(0,1.27) 14(0,-1.27) 15(2.54,1.27) 16(2.54,-1.27) 17(5.08,1.27) 18(5.08,-1.27) 19(7.62,1.27) 20(7.62,-1.27) 21(10.16,1.27) 22(10.16,-1.27) 23(12.7,1.27) 24(12.7,-1.27) 25(15.24,1.27) 26(15.24,-1.27)
  silkscreen extent -16.89,-2.47 16.89,2.47, body extent -16.76,-2.54 16.76,2.54, height 14.84
ESW-117-23-L-D [mm] "Samtec Elevated Socket, 2x17 Pins, Vertical, 2.54mm Pitch, Female, 13.59mm length"
  rect 1.55x1.55 hole 1.04: 1(-20.32,1.27)
  round 1.55 hole 1.04: 2(-20.32,-1.27) 3(-17.78,1.27) 4(-17.78,-1.27) 5(-15.24,1.27) 6(-15.24,-1.27) 7(-12.7,1.27) 8(-12.7,-1.27) 9(-10.16,1.27) 10(-10.16,-1.27) 11(-7.62,1.27) 12(-7.62,-1.27) 13(-5.08,1.27) 14(-5.08,-1.27) 15(-2.54,1.27) 16(-2.54,-1.27) 17(0,1.27) 18(0,-1.27) 19(2.54,1.27) 20(2.54,-1.27) 21(5.08,1.27) 22(5.08,-1.27) 23(7.62,1.27) 24(7.62,-1.27) 25(10.16,1.27) 26(10.16,-1.27) 27(12.7,1.27) 28(12.7,-1.27) 29(15.24,1.27) 30(15.24,-1.27) 31(17.78,1.27) 32(17.78,-1.27) 33(20.32,1.27) 34(20.32,-1.27)
  silkscreen extent -21.97,-2.47 21.97,2.47, body extent -21.84,-2.54 21.84,2.54, height 14.84
FIDUCIAL_TOP_C100-200#1 [mm] "Round Fiducial Target, Top Layer, 1.0mm, Top Solder 2.0mm, Keepout =2.0mm"
  round 1 smd paste-0.51 mask+0.5: FTG2(0,0)
  Top keep-out circle w0.1: c0,0 r1
FIDUCIAL_TOP_C100-200#2 [mm] "Round Fiducial Target, Top Layer, 1.0mm, Top Solder 2.0mm, Keepout =2.0mm"
  round 1 smd far side paste-0.51 mask+0.5: FTG2(0,0)
  Top keep-out circle w0.1: c0,0 r1
FIL_MINI-CIRCUITS_FV1206 [mm] "MINI-CIRCUITS Case FV1206 - Body 3.2x1.6mm"
  rect 1.04x1.8 smd: 1(-1.625,0) 3(1.625,0)
  rect 0.61x1.245 smd: 2(0,-0.928) 4(0,0.927)
  silkscreen extent -2.78,-1.25 1.6,1.25, body extent -1.6,-0.8 1.6,0.8, height 0.94
FIL_MURATA_BNX02 [mm] "Block Type EMIFIL LC Combined Type, BNX02* Series"
  rect 3.8x2.5 smd: 1(-6.85,2.1) 2(6.85,2.1) 3(-6.85,-2.2) 4(6.85,-2.2)
  rect 7.9x2.3 smd: 4(1,-5.1)
  rect 3.4x2.3 smd: 4(3.25,5.1)
  silkscreen extent -5.95,-4.45 7.77,5.05, body extent -6.05,-4.55 6.05,4.55, height 3.1
IND_MURATA-PS_8400 [mm] "Miniature Surface Mount Power Inductors, 4.5mm L X 3.3mm W X 2.9mm H, MURATA 8400 Series"
  rect 2x3.5 smd: 1(-1.6,0) 2(1.6,0)
  silkscreen extent -0.3,-1.8 0.3,1.8, body extent -2.4,-1.8 2.4,1.8, height 2.9
IND_MURATA_LQH32C [mm] "Chip Inductor, 3.40mm L X 2.50mm W X 2.20mm H, MURATA LQH32 Series"
  rect 1.1x1 smd: 1(-2.2,0) 2(2.2,0)
  rect 1x2 smd: 1(-1.15,0) 2(1.15,0)
  silkscreen extent -2.05,-1.4 2.05,1.4, body extent -1.75,-1.25 1.75,1.25, height 2.2
IND_MURATA_LQW18AN_G8 [mm] "SMT inductor 0603, Body Width 0.99mm Body Lenght 1.65mm Height 1mm"
  rect 0.57x1.15 smd: 1(-0.715,0) 2(0.715,0)
  silkscreen extent 0,-0.5 0,0.5, body extent -0.82,-0.49 0.83,0.5, height 1
IND_TDK_SPM6530 [mm] "SMD Inductor, 7.1mm L X 6.5mm W X 3mm H, TDK SPM6530 Series"
  rect 1.85x3.4 smd: 1(-2.775,0) 2(2.775,0)
  silkscreen extent -3.5,-3.2 3.5,3.2, body extent -3.6,-3.2 3.6,3.2, height 3.1
INDC1608X95N [mm] "Chip Inductor, 2-Leads, EIA 0603, Metric 1608, Body 1.6x0.8mm, IPC Medium Density"
  rect 0.95x1 smd: 1(-0.8,0) 2(0.8,0)
  body extent -0.87,-0.47 0.88,0.48, height 0.95
LED_DIALIGHT_571-0112F [mm] "2x 2mm LED (Top: Red, Bot: Green) PCB Edge Mounting (Without positioning pins) DIALIGHT 571 Serie"
  round 1.7 hole 1: 1(0,0) 2(2.54,0) 3(5.08,0) 4(7.62,0)
  silkscreen extent -6.55,-1.24 8.89,1.24, body extent -6.55,-1.24 8.89,1.24, height 8.61
LED_KINGBRIGHT_KPH-1608CGCKr [mm] "SMT Green LED, Case 0603, Body L 1.6 x W 0.8mm H 0.65mm"
  rect 0.8x0.8 smd: 1(-0.825,0) 2(0.825,0)
  silkscreen extent -1.83,-0.4 0.08,0.4, body extent -0.8,-0.4 0.8,0.4, height 0.65
LGA25C127P5X5_625X625X190 [mm] "LGA, 25-Leads, Body 6.25x6.25mmx1.90mm, Pitch 1.27mm"
  round 0.66 smd: A1(-2.54,2.54) A2(-1.27,2.54) A3(0,2.54) A4(1.27,2.54) A5(2.54,2.54) B1(-2.54,1.27) B2(-1.27,1.27) B3(0,1.27) B4(1.27,1.27) B5(2.54,1.27) C1(-2.54,0) C2(-1.27,0) C3(0,0) C4(1.27,0) C5(2.54,0) D1(-2.54,-1.27) D2(-1.27,-1.27) D3(0,-1.27) D4(1.27,-1.27) D5(2.54,-1.27) E1(-2.54,-2.54) E2(-1.27,-2.54) E3(0,-2.54) E4(1.27,-2.54) E5(2.54,-2.54)
  silkscreen extent -4.06,-3.13 3.13,3.13, body extent -3.13,-3.12 3.13,3.13, height 1.9
LT-UH-32_N [mm] "QFN, 32-Leads, Body 5x5mm, Pitch 0.50mm, Thermal Pad 3.45X3.45mm, IPC Medium Density"
  oval 0.85x0.25 smd: 1(-2.475,1.75) 2(-2.475,1.25) 3(-2.475,0.75) 4(-2.475,0.25) 5(-2.475,-0.25) 6(-2.475,-0.75) 7(-2.475,-1.25) 8(-2.475,-1.75) 17(2.475,-1.75) 18(2.475,-1.25) 19(2.475,-0.75) 20(2.475,-0.25) 21(2.475,0.25) 22(2.475,0.75) 23(2.475,1.25) 24(2.475,1.75)
  oval 0.25x0.85 smd: 9(-1.75,-2.475) 10(-1.25,-2.475) 11(-0.75,-2.475) 12(-0.25,-2.475) 13(0.25,-2.475) 14(0.75,-2.475) 15(1.25,-2.475) 16(1.75,-2.475) 25(1.75,2.475) 26(1.25,2.475) 27(0.75,2.475) 28(0.25,2.475) 29(-0.25,2.475) 30(-0.75,2.475) 31(-1.25,2.475) 32(-1.75,2.475)
  rect 3.45x3.45 smd: 33(0,0)
  silkscreen extent -3.47,-2.7 2.7,2.7, body extent -2.55,-2.55 2.55,2.55, height 0.8
MACOM_SM-87 [mm] "MACOM Case Style SM-87 - Body W 6.35 x L 8.20 H 4.85mm"
  rect 2.26x1.5 smd: 1(2.805,2.54) 2(2.805,0) 3(2.805,-2.54) 4(-2.805,-2.54) 5(-2.805,0) 6(-2.805,2.54)
  silkscreen extent -3.93,-4.1 3.18,4.1, body extent -3.17,-4.1 3.18,4.1, height 4.85
MINI-CIRCUITS_CD637 [mm] "MINI-CIRCUITS CD637 Case, 2.54mm pitch; 6 pin, 5.59mm W X 7.87mm L"
  rect 2.54x1.65 smd: 1(-2.54,2.54) 2(-2.54,0) 3(-2.54,-2.54) 4(2.54,-2.54) 5(2.54,0) 6(2.54,2.54)
  silkscreen extent -3.85,-3.94 2.8,4.15, body extent -3.45,-3.93 3.46,3.94, height 5.23
MINI-CIRCUITS_DF782 [mm] "MINI-CIRCUITS DF782 Case, 1.50mm pitch; 4 pin, 2.44mm W X 4.49mm L"
  rect 0.71x1.5 smd: 1(-1.5,-1.915) 3(1.5,-1.915)
  rect 0.917x2.41 smd: 2(0,-1.46)
  rect 0.92x0.493 smd: 4(0,2.418)
  rect 1.905x2.427 smd: 4(0,0.958)
  Top region: -0.457,-0.751 -0.953,-0.255 -0.953,2.172 -0.46,2.665 0.46,2.665 0.953,2.172 0.953,-0.255 0.457,-0.751 0.457,-2.665 -0.457,-2.665
  silkscreen extent -2.3,-1.3 2.3,1.3, body extent -2.3,-2.12 2.3,2.12, height 1.6
MINI-CIRCUITS_WW107 [mm] "MINI-CIRCUITS WW107 Case"
  rect 1.83x1.02 smd: 1(-2.085,0) 3(2.085,0)
  rect 1.02x1.83 smd: 2(0,-2.085) 4(0,2.085)
  silkscreen extent -2.37,-0.77 0.77,1.12, body extent -2.84,-2.54 2.54,2.54, height 1.52